# Allegro board PCIE_FIBER_BOARD-1116.brd (continued)
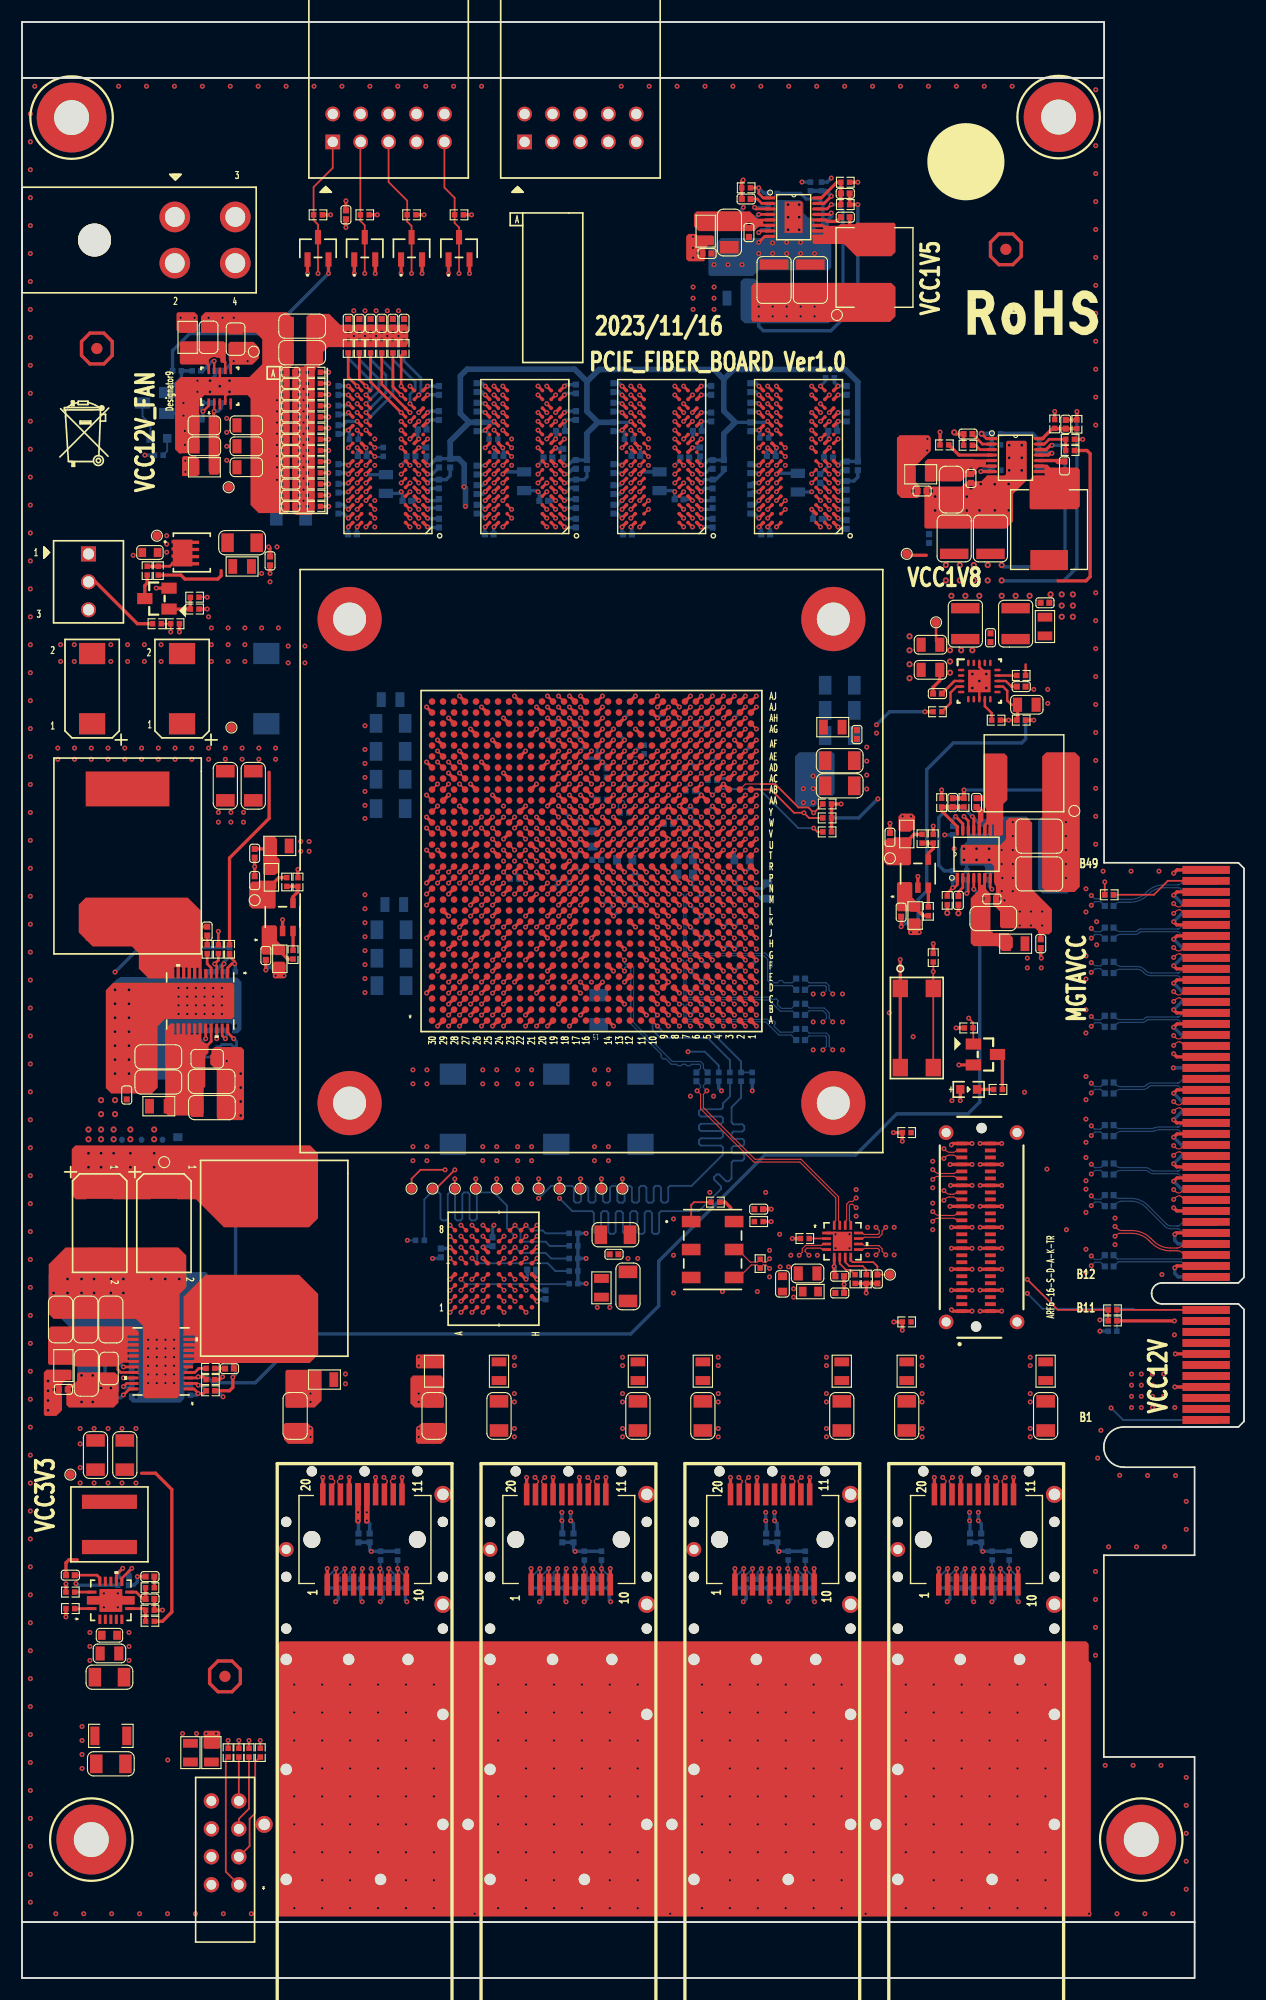
[diagram p0: board, top side]
## Library data of the parts
C2 C13-C15 C97 C461-C463 C490-C492 C505 C508-C519 C524-C527 C546-C548 C552-C555 C596-C598 C602-C605 C624-C626 C630-C633 C1184-C1186 C2256 C2441-C2444 C2446 C2449 C2451 C2453 C2455 C2457 C2459 C2461 C2463 C2492 C2493 = 0_1UF_0
C123 = 47UF_0: signal model: SR0402-BGA_0
C143 C399 C418 C421 C521 C549 C599 C627 C1172-C1174 C1193-C1196 C1224-C1227 C1232 C1233 C2434 C2445 C2447 C2497 C2498 = 47UF_0
C144-C148 C150-C153 C419 C420 C422 C495-C504 C506 C507 C522 C523 C528-C536 C538-C543 C550 C551 C556-C565 C567-C573 C578-C587 C589-C595 C600 C601 C606-C615 C617-C623 C628 C629 C2259-C2266 C2268 C2269 C2272-C2279 C2503 C2504 C2506 C2507 = 4_7UF_0
C159-C162 C400-C402 C493 C494 C636 C638 C639 = 100UF_0
C187 C520 C544 C545 C574-C577 C1159 C1176 C1177 C1179 C1180 C1182 C1183 C1187 C1188 C1190-C1192 C1208 C1211 C1218 C1219 C1221-C1223 C1229-C1231 C1235 C2482 C2485-C2489 C2499 C2501 C2502 C2505 = 0_01UF_0
C224 C640 C1157 C1216 C2495 = 4_7UF_1
C250 C566 C588 C616 C1234 C1237 C1238 = 10UF_1
C271 = 1000PF_0
C340-C344 C2484 = 10UF_0
C991 C992 C2435-C2438 = 0_01UF_0: signal model: 0_01UF_0_C0402_0.01UF_0.01UF
C1153-C1156 C1178 C1197 C1212-C1215 C1228 C2448 C2450 C2452 C2454 C2456 C2458 C2460 C2462 C2494 = 22UF_0
C1158 C1175 C1189 C1217 C1220 C2257 C2258 C2267 C2270 C2271 C2483 C2491 C2496 C2500 = 1UF_0
C2439 C2440 = 0_01UF_1: signal model: 0_01UF_1_C0402_0.1UF_0.1UF
C2464-C2481 = 0_01UF_0: signal model: 0_01UF_0_C0402_0.22UF_0.22UF
C2490 = 10UF_2
C2508 = CAP_NPOL
CC1-CC8 CC13 CC14 = 680UF_TANT_E_1
D1 = H485CGDL
D2-D5 = BAT54CLT1G_2
DS10 DS18 = LED-GRN-SMT_LED_2
J1 J2 = 10PIN_CONNECTOR_1
J3 = ARF6-16-S-D-A-K-TR
J4 = POWER_HDR_0
J5 = HDR_5
L3 L5 L34 L89-L93 L95 L96 L100 L101 L103 L233-L248 L250-L253 = BLM15HD102SN1_0
L85 L99 = 2773021447_1
L86 L94 L102 L249 = INDUCTOR3_1
MH1-MH4 = HOLE_MH_125_3
P1-P4 = 74441-0010_1
Q10 Q15 Q17 = NDS331N_SOT23_1
Q16 = CSD25402Q3A_1
R4 R8 R41 R42 R1152-R1156 R1159-R1199 R1204 R1227 R1230 = 4_7K_0
R87 = 249_0402
R159-R164 R460-R478 R481 R482 R488 = 80_6_0
R165 R1205 = 100_0
R219-R221 R455 R456 R1041-R1050 R1057 R1058 R1065 R1068 R1072-R1074 R1089 R1091-R1095 R1098-R1100 R1103 R1107-R1109 R1112 R1206 R1209 R1213 R1221-R1224 R1226 R1228 R1229 R1231-R1237 = 10_0K_0
R337-R342 R1207 R1208 R1210 R1214 = 1_00K_0
R395 R396 = 261_0
R458 R490 R492 R494 = 100_C402_0
R459 R1059-R1061 R1064 R1066 R1067 R1069-R1071 R1075 R1101 R1102 R1104-R1106 R1111 R1114 R1115 R1200-R1203 R1211 R1212 R1215 R1220 = 0_0
R479 R480 R483 R484 = 80_6_0: signal model: SR0402-BGA_0
R1150 R1151 = 0_0: signal model: 0_0_R0402_0_0
R1157 = 0_0: signal model: 0_0_R0402_0_DNP_0_DNP
R1216-R1219 = 49_9_0
R1225 = RES
SW8 = TL3301EF100QG-ND_0
TP41 TP43 TP44 TP47-TP50 TP52 TP54-TP69 = TEST-POINT_1
U23 = TPS51200DRCT_0
U75-U78 = MT41K512M16TNA-125_2
U113 U118 = TPS53353DQPR_5
U115 U116 U119 = LT8610EMSE_3
U120 = TPS7A8500ARGRR_3
U247 = XC7K325T-2FFG900I_4
U248 = PC28F512P30TFA
U249 = PCIE_BLANE_EDGE
U250 = SIT5021AI-2DE-33E-100_0.000000X
U251 = LMK1D1204RGTR_0
U252 = TPS54620RHLR
U253 U254 = R1112NXX1B_1
U255 = HEAT_SINK_5

## Footprints (pads in the part's own frame, mm; a bottom-side part is the same pattern mirrored in y, then rotated)
0022112032
  rect 1.372x1.372 hole 1.016: 1(-2.54,0)
  round 1.372 hole 1.016: 2(0,0) 3(2.54,0)
0039301040
  round 2.997 hole 2.997: (0,-3.8)
  round 2.794 hole 1.803: 1(-2.1,3.5) 2(2.1,3.5) 3(-2.1,9) 4(2.1,9)
0744410010_0747370010
  round 0.94 hole 0.94 unplated: (22.799,8.58) (22.799,-5.669) (27.501,8.58) (27.501,-5.669) (32.499,8.58) (32.499,-5.669) (37.099,6.251) (37.099,1.45) (37.099,-3.35)
  round 1.549 hole 1.549 unplated: (30.899,6.251) (30.899,-3.35)
  rect 2.007x0.508 smd: 1(26.8,4.849) 2(26.8,4.049) 3(26.8,3.249) 4(26.8,2.449) 5(26.8,1.649) 6(26.8,0.849) 7(26.8,0.049) 8(26.8,-0.751) 9(26.8,-1.551) 10(26.8,-2.351) 11(35.001,-1.95) 12(35.001,-1.15) 13(35.001,-0.35) 14(35.001,0.45) 15(35.001,1.25) 16(35.001,2.05) 17(35.001,2.85) 18(35.001,3.65) 19(35.001,4.45) 20(35.001,5.25)
  round 1.346 hole 0.838: 21(30,8.58)
  round 1.549 hole 1.041: 22(20,8.58) 23(10,8.58) 24(0,8.58) 25(0,0) 26(5.001,-5.669) 27(15.001,-5.669) 28(25.001,-5.669) 29(35.001,-5.669) 30(20,-2.499) 31(20,2.901) 32(5.001,10.579)
ADP150AUJZ
  rect 0.953x0.508 smd: 1(-1.276,0.95) 2(-1.276,0) 3(-1.276,-0.95) 4(1.276,-0.95) 5(1.276,0.95)
ATS-61500W-C2-R0
  round 5.842 hole 2.997: 1(-22,-22) 2(22,-22) 3(22,22) 4(-22,22)
C0402
  rect 0.559x0.559 smd: 1(-0.4,0) 2(0.4,0)
C0402_BGA
  custom 0.559x0.508 smd: 1(-0.47,0) 2(0.47,0)
C0603
  rect 0.711x0.838 smd: 1(-0.7,0) 2(0.7,0)
C0805
  rect 0.838x1.295 smd: 1(-0.85,0) 2(0.85,0)
C1206
  rect 1.143x1.702 smd: 1(-1.325,0) 2(1.325,0)
C1210
  rect 0.94x2.591 smd: 1(-1.4,0) 2(1.4,0)
C2917X
  rect 2.388x1.93 smd: 1(0,-3.193) 2(0,3.193)
CSD25402
  rect 0.61x0.305 smd: 1(-1.549,0.975) 2(-1.549,0.325) 3(-1.549,-0.325) 4(-1.549,-0.975)
  custom 2.388x2.438 smd: 5(-0.533,-0.051)
DSC1123NI1
  rect 1.705x1.049 smd: 1(-1.952,2.54) 2(-1.952,0) 3(-1.952,-2.54) 4(1.952,-2.54) 5(1.952,0) 6(1.952,2.54)
H485CGDL
  round 1.397 hole 0.889: 1(0,0) 2(0,-2.54) 3(0,-5.08) 4(0,-7.62) 5(2.5,-7.62) 6(2.5,-5.08) 7(2.5,-2.54) 8(2.5,0)
IHLP_2525CZ_01
  rect 1.829x3.429 smd: 1(-2.77,0) 2(2.77,0)
L0402
  rect 0.508x0.508 smd: 1(-0.4,0) 2(0.4,0)
L0603
  rect 0.711x0.889 smd: 1(-0.7,0) 2(0.7,0)
L0805
  rect 0.813x1.346 smd: 1(-0.85,0) 2(0.85,0)
LED_0603
  rect 0.76x0.8 smd: 1(-0.759,0) 2(0.759,0)
LMK1D1204RGT
  rect 0.813x0.254 smd: 1(-1.448,0.75) 2(-1.448,0.25) 3(-1.448,-0.25) 4(-1.448,-0.75) 9(1.448,-0.75) 10(1.448,-0.25) 11(1.448,0.25) 12(1.448,0.75)
  rect 0.254x0.813 smd: 5(-0.75,-1.448) 6(-0.25,-1.448) 7(0.25,-1.448) 8(0.75,-1.448) 13(0.75,1.448) 14(0.25,1.448) 15(-0.25,1.448) 16(-0.75,1.448)
  rect 1.753x1.753 smd: 17(0,0)
LT8610AC
  rect 0.305x0.991 smd: 1(-1.75,-2.17)
  oval 0.305x0.991 smd: 2(-1.25,-2.17) 3(-0.75,-2.17) 4(-0.25,-2.17) 5(0.25,-2.17) 6(0.75,-2.17) 7(1.25,-2.17) 8(1.75,-2.17) 9(1.75,2.17) 10(1.25,2.17) 11(0.75,2.17) 12(0.25,2.17) 13(-0.25,2.17) 14(-0.75,2.17) 15(-1.25,2.17) 16(-1.75,2.17)
  rect 2.845x1.65 smd: 17(0,0)
MH_250H125
  round 6.35 hole 3.175: 1(0,0)
MT41K512M16VRP
  round 0.351 smd: A1(-3.2,5.999) A2(-2.4,5.999) A3(-1.6,5.999) A7(1.6,5.999) A8(2.4,5.999) A9(3.2,5.999) B1(-3.2,5.199) B2(-2.4,5.199) B3(-1.6,5.199) B7(1.6,5.199) B8(2.4,5.199) B9(3.2,5.199) C1(-3.2,4.399) C2(-2.4,4.399) C3(-1.6,4.399) C7(1.6,4.399) C8(2.4,4.399) C9(3.2,4.399) D1(-3.2,3.599) D2(-2.4,3.599) D3(-1.6,3.599) D7(1.6,3.599) D8(2.4,3.599) D9(3.2,3.599) E1(-3.2,2.799) E2(-2.4,2.799) E3(-1.6,2.799) E7(1.6,2.799) E8(2.4,2.799) E9(3.2,2.799) F1(-3.2,1.999) F2(-2.4,1.999) F3(-1.6,1.999) F7(1.6,1.999) F8(2.4,1.999) F9(3.2,1.999) G1(-3.2,1.199) G2(-2.4,1.199) G3(-1.6,1.199) G7(1.6,1.199) G8(2.4,1.199) G9(3.2,1.199) H1(-3.2,0.399) H2(-2.4,0.399) H3(-1.6,0.399) H7(1.6,0.399) H8(2.4,0.399) H9(3.2,0.399) J1(-3.2,-0.399) J2(-2.4,-0.399) J3(-1.6,-0.399) J7(1.6,-0.399) J8(2.4,-0.399) J9(3.2,-0.399) K1(-3.2,-1.199) K2(-2.4,-1.199) K3(-1.6,-1.199) K7(1.6,-1.199) K8(2.4,-1.199) K9(3.2,-1.199) L1(-3.2,-1.999) L2(-2.4,-1.999) L3(-1.6,-1.999) L7(1.6,-1.999) L8(2.4,-1.999) L9(3.2,-1.999) M1(-3.2,-2.799) M2(-2.4,-2.799) M3(-1.6,-2.799) M7(1.6,-2.799) M8(2.4,-2.799) M9(3.2,-2.799) N1(-3.2,-3.599) N2(-2.4,-3.599) N3(-1.6,-3.599) N7(1.6,-3.599) N8(2.4,-3.599) N9(3.2,-3.599) P1(-3.2,-4.399) P2(-2.4,-4.399) P3(-1.6,-4.399) P7(1.6,-4.399) P8(2.4,-4.399) P9(3.2,-4.399) R1(-3.2,-5.199) R2(-2.4,-5.199) R3(-1.6,-5.199) R7(1.6,-5.199) R8(2.4,-5.199) R9(3.2,-5.199) T1(-3.2,-5.999) T2(-2.4,-5.999) T3(-1.6,-5.999) T7(1.6,-5.999) T8(2.4,-5.999) T9(3.2,-5.999)
NDS331N
  rect 1.016x1.397 smd: 1(-0.95,-1.1) 2(0.95,-1.1) 3(0,1.1)
PA0513_441NLT
  rect 3.175x7.62 smd: 1(-6.195,0) 2(5.995,0)
PC28F512P30TFA_BGA64
  round 0.432 smd: A1(-3.5,3.5) A2(-2.5,3.5) A3(-1.5,3.5) A4(-0.5,3.5) A5(0.5,3.5) A6(1.5,3.5) A7(2.5,3.5) A8(3.5,3.5) B1(-3.5,2.5) B2(-2.5,2.5) B3(-1.5,2.5) B4(-0.5,2.5) B5(0.5,2.5) B6(1.5,2.5) B7(2.5,2.5) B8(3.5,2.5) C1(-3.5,1.5) C2(-2.5,1.5) C3(-1.5,1.5) C4(-0.5,1.5) C5(0.5,1.5) C6(1.5,1.5) C7(2.5,1.5) C8(3.5,1.5) D1(-3.5,0.5) D2(-2.5,0.5) D3(-1.5,0.5) D4(-0.5,0.5) D5(0.5,0.5) D6(1.5,0.5) D7(2.5,0.5) D8(3.5,0.5) E1(-3.5,-0.5) E2(-2.5,-0.5) E3(-1.5,-0.5) E4(-0.5,-0.5) E5(0.5,-0.5) E6(1.5,-0.5) E7(2.5,-0.5) E8(3.5,-0.5) F1(-3.5,-1.5) F2(-2.5,-1.5) F3(-1.5,-1.5) F4(-0.5,-1.5) F5(0.5,-1.5) F6(1.5,-1.5) F7(2.5,-1.5) F8(3.5,-1.5) G1(-3.5,-2.5) G2(-2.5,-2.5) G3(-1.5,-2.5) G4(-0.5,-2.5) G5(0.5,-2.5) G6(1.5,-2.5) G7(2.5,-2.5) G8(3.5,-2.5) H1(-3.5,-3.5) H2(-2.5,-3.5) H3(-1.5,-3.5) H4(-0.5,-3.5) H5(0.5,-3.5) H6(1.5,-3.5) H7(2.5,-3.5) H8(3.5,-3.5)
PCIE_8LANE_EDGE
  rect 0.711x3.2 smd: A1(0,0.495) B17(18,0.495) B31(32,0.495) B48(49,0.495)
  rect 0.711x4.293 smd: A2(1,-0.051) A3(2,-0.051) A4(3,-0.051) A5(4,-0.051) A6(5,-0.051) A7(6,-0.051) A8(7,-0.051) A9(8,-0.051) A10(9,-0.051) A11(10,-0.051) A12(13,-0.051) A13(14,-0.051) A14(15,-0.051) A15(16,-0.051) A16(17,-0.051) A17(18,-0.051) A18(19,-0.051) A19(20,-0.051) A20(21,-0.051) A21(22,-0.051) A22(23,-0.051) A23(24,-0.051) A24(25,-0.051) A25(26,-0.051) A26(27,-0.051) A27(28,-0.051) A28(29,-0.051) A29(30,-0.051) A30(31,-0.051) A31(32,-0.051) A32(33,-0.051) A33(34,-0.051) A34(35,-0.051) A35(36,-0.051) A36(37,-0.051) A37(38,-0.051) A38(39,-0.051) A39(40,-0.051) A40(41,-0.051) A41(42,-0.051) A42(43,-0.051) A43(44,-0.051) A44(45,-0.051) A45(46,-0.051) A46(47,-0.051) A47(48,-0.051) A48(49,-0.051) A49(50,-0.051) B1(0,-0.051) B2(1,-0.051) B3(2,-0.051) B4(3,-0.051) B5(4,-0.051) B6(5,-0.051) B7(6,-0.051) B8(7,-0.051) B9(8,-0.051) B10(9,-0.051) B11(10,-0.051) B12(13,-0.051) B13(14,-0.051) B14(15,-0.051) B15(16,-0.051) B16(17,-0.051) B18(19,-0.051) B19(20,-0.051) B20(21,-0.051) B21(22,-0.051) B22(23,-0.051) B23(24,-0.051) B24(25,-0.051) B25(26,-0.051) B26(27,-0.051) B27(28,-0.051) B28(29,-0.051) B29(30,-0.051) B30(31,-0.051) B32(33,-0.051) B33(34,-0.051) B34(35,-0.051) B35(36,-0.051) B36(37,-0.051) B37(38,-0.051) B38(39,-0.051) B39(40,-0.051) B40(41,-0.051) B41(42,-0.051) B42(43,-0.051) B43(44,-0.051) B44(45,-0.051) B45(46,-0.051) B46(47,-0.051) B47(48,-0.051) B49(50,-0.051)
R0402
  rect 0.508x0.508 smd: 1(-0.4,0) 2(0.4,0)
R1206
  rect 0.838x1.702 smd: 1(-1.45,0) 2(1.45,0)
SAMTEC_ARF6-16-S-D-A-K-TR
  round 0.95 hole 0.95 unplated: (-9.02,0) (9.02,-0.5)
  rect 0.35x1 smd: 01(-7.62,1.3) 02(-7.62,-1.3) 03(-6.985,1.3) 04(-6.985,-1.3) 05(-6.35,1.3) 06(-6.35,-1.3) 07(-5.715,1.3) 08(-5.715,-1.3) 09(-5.08,1.3) 10(-5.08,-1.3) 11(-4.445,1.3) 12(-4.445,-1.3) 13(-3.81,1.3) 14(-3.81,-1.3) 15(-3.175,1.3) 16(-3.175,-1.3) 17(-2.54,1.3) 18(-2.54,-1.3) 19(-1.905,1.3) 20(-1.905,-1.3) 21(-1.27,1.3) 22(-1.27,-1.3) 23(-0.635,1.3) 24(-0.635,-1.3) 25(0,1.3) 26(0,-1.3) 27(0.635,1.3) 28(0.635,-1.3) 29(1.27,1.3) 30(1.27,-1.3) 31(1.905,1.3) 32(1.905,-1.3) 33(2.54,1.3) 34(2.54,-1.3) 35(3.175,1.3) 36(3.175,-1.3) 37(3.81,1.3) 38(3.81,-1.3) 39(4.445,1.3) 40(4.445,-1.3) 41(5.08,1.3) 42(5.08,-1.3) 43(5.715,1.3) 44(5.715,-1.3) 45(6.35,1.3) 46(6.35,-1.3) 47(6.985,1.3) 48(6.985,-1.3) 49(7.62,1.3) 50(7.62,-1.3)
  round 1.338 hole 0.83: S1(-8.6,2.725) S2(8.61,2.725) S3(-8.6,-3.725) S4(8.61,-3.725)
SBH11-PBPC-D05-ST-BK
  rect 1.346x1.346 hole 0.94: 1(-5.08,-1.27)
  round 1.346 hole 0.94: 2(-5.08,1.27) 3(-2.54,-1.27) 4(-2.54,1.27) 5(0,-1.27) 6(0,1.27) 7(2.54,-1.27) 8(2.54,1.27) 9(5.08,-1.27) 10(5.08,1.27)
SOT-23
  rect 0.559x1.321 smd: 1(-0.953,-1.016) 2(0.953,-1.016) 3(0,1.016)
TL3305AF160QG
  rect 1.6x1.4 smd: 1(-3.6,-1.5) 2(3.6,-1.5) 3(-3.6,1.5) 4(3.6,1.5)
TP0_8
  round 0.822 smd: 1(0,0)
TPS7A8500ARGR
  oval 0.6x0.24 smd: 1(-1.65,1) 2(-1.65,0.5) 3(-1.65,0) 4(-1.65,-0.5) 5(-1.65,-1) 11(1.65,-1) 12(1.65,-0.5) 13(1.65,0) 14(1.65,0.5) 15(1.65,1)
  oval 0.24x0.6 smd: 6(-1,-1.65) 7(-0.5,-1.65) 8(0,-1.65) 9(0.5,-1.65) 10(1,-1.65) 16(1,1.65) 17(0.5,1.65) 18(0,1.65) 19(-0.5,1.65) 20(-1,1.65)
  rect 2.05x2.05 smd: 21(0,0)
TPS51200DRC
  rect 0.6x0.24 smd: 1(-1.4,1) 2(-1.4,0.5) 3(-1.4,0) 4(-1.4,-0.5) 5(-1.4,-1) 6(1.4,-1) 7(1.4,-0.5) 8(1.4,0) 9(1.4,0.5) 10(1.4,1)
  rect 1.65x2.4 smd: 11(0,0)
TPS53353DQP
  rect 0.85x0.28 smd: 1(-2.475,2.5) 2(-2.475,2) 3(-2.475,1.5) 4(-2.475,1) 5(-2.475,0.5) 6(-2.475,0) 7(-2.475,-0.5) 8(-2.475,-1) 9(-2.475,-1.5) 10(-2.475,-2) 11(-2.475,-2.5) 12(2.475,-2.5) 13(2.475,-2) 14(2.475,-1.5) 15(2.475,-1) 16(2.475,-0.5) 17(2.475,0) 18(2.475,0.5) 19(2.475,1) 20(2.475,1.5) 21(2.475,2) 22(2.475,2.5)
  rect 3.24x5.479 smd: 23(0,0)
TPS54620_RHL14
  rect 0.28x0.85 smd: 1(-0.75,1.725) 7(-0.75,-1.725) 8(0.75,-1.725) 14(0.75,1.725)
  rect 0.85x0.28 smd: 2(-1.725,1) 3(-1.725,0.5) 4(-1.725,0) 5(-1.725,-0.5) 6(-1.725,-1) 9(1.725,-1) 10(1.725,-0.5) 11(1.725,0) 12(1.725,0.5) 13(1.725,1)
  rect 2.05x2.05 smd: 15(0,0)
unnamed#2
  round 1.016 smd: 1(0,0)
XAL6030
  rect 1.295x5.004 smd: 1(-2.057,0) 2(2.057,0)
XC7K325T-2FFG900I
  round 0.61 smd: A1(-14.5,14.5) A2(-13.5,14.5) A3(-12.5,14.5) A4(-11.5,14.5) A5(-10.5,14.5) A6(-9.5,14.5) A7(-8.5,14.5) A8(-7.5,14.5) A9(-6.5,14.5) A10(-5.5,14.5) A11(-4.5,14.5) A12(-3.5,14.5) A13(-2.5,14.5) A14(-1.5,14.5) A15(-0.5,14.5) A16(0.5,14.5) A17(1.5,14.5) A18(2.5,14.5) A19(3.5,14.5) A20(4.5,14.5) A21(5.5,14.5) A22(6.5,14.5) A23(7.5,14.5) A24(8.5,14.5) A25(9.5,14.5) A26(10.5,14.5) A27(11.5,14.5) A28(12.5,14.5) A29(13.5,14.5) A30(14.5,14.5) AA1(-14.5,-5.5) AA2(-13.5,-5.5) AA3(-12.5,-5.5) AA4(-11.5,-5.5) AA5(-10.5,-5.5) AA6(-9.5,-5.5) AA7(-8.5,-5.5) AA8(-7.5,-5.5) AA9(-6.5,-5.5) AA10(-5.5,-5.5) AA11(-4.5,-5.5) AA12(-3.5,-5.5) AA13(-2.5,-5.5) AA14(-1.5,-5.5) AA15(-0.5,-5.5) AA16(0.5,-5.5) AA17(1.5,-5.5) AA18(2.5,-5.5) AA19(3.5,-5.5) AA20(4.5,-5.5) AA21(5.5,-5.5) AA22(6.5,-5.5) AA23(7.5,-5.5) AA24(8.5,-5.5) AA25(9.5,-5.5) AA26(10.5,-5.5) AA27(11.5,-5.5) AA28(12.5,-5.5) AA29(13.5,-5.5) AA30(14.5,-5.5) AB1(-14.5,-6.5) AB2(-13.5,-6.5) AB3(-12.5,-6.5) AB4(-11.5,-6.5) AB5(-10.5,-6.5) AB6(-9.5,-6.5) AB7(-8.5,-6.5) AB8(-7.5,-6.5) AB9(-6.5,-6.5) AB10(-5.5,-6.5) AB11(-4.5,-6.5) AB12(-3.5,-6.5) AB13(-2.5,-6.5) AB14(-1.5,-6.5) AB15(-0.5,-6.5) AB16(0.5,-6.5) AB17(1.5,-6.5) AB18(2.5,-6.5) AB19(3.5,-6.5) AB20(4.5,-6.5) AB21(5.5,-6.5) AB22(6.5,-6.5) AB23(7.5,-6.5) AB24(8.5,-6.5) AB25(9.5,-6.5) AB26(10.5,-6.5) AB27(11.5,-6.5) AB28(12.5,-6.5) AB29(13.5,-6.5) AB30(14.5,-6.5) AC1(-14.5,-7.5) AC2(-13.5,-7.5) AC3(-12.5,-7.5) AC4(-11.5,-7.5) AC5(-10.5,-7.5) AC6(-9.5,-7.5) AC7(-8.5,-7.5) AC8(-7.5,-7.5) AC9(-6.5,-7.5) AC10(-5.5,-7.5) AC11(-4.5,-7.5) AC12(-3.5,-7.5) AC13(-2.5,-7.5) AC14(-1.5,-7.5) AC15(-0.5,-7.5) AC16(0.5,-7.5) AC17(1.5,-7.5) AC18(2.5,-7.5) AC19(3.5,-7.5) AC20(4.5,-7.5) AC21(5.5,-7.5) AC22(6.5,-7.5) AC23(7.5,-7.5) AC24(8.5,-7.5) AC25(9.5,-7.5) AC26(10.5,-7.5) AC27(11.5,-7.5) AC28(12.5,-7.5) AC29(13.5,-7.5) AC30(14.5,-7.5) AD1(-14.5,-8.5) AD2(-13.5,-8.5) AD3(-12.5,-8.5) AD4(-11.5,-8.5) AD5(-10.5,-8.5) AD6(-9.5,-8.5) AD7(-8.5,-8.5) AD8(-7.5,-8.5) AD9(-6.5,-8.5) AD10(-5.5,-8.5) AD11(-4.5,-8.5) AD12(-3.5,-8.5) AD13(-2.5,-8.5) AD14(-1.5,-8.5) AD15(-0.5,-8.5) AD16(0.5,-8.5) AD17(1.5,-8.5) AD18(2.5,-8.5) AD19(3.5,-8.5) AD20(4.5,-8.5) AD21(5.5,-8.5) AD22(6.5,-8.5) AD23(7.5,-8.5) AD24(8.5,-8.5) AD25(9.5,-8.5) AD26(10.5,-8.5) AD27(11.5,-8.5) AD28(12.5,-8.5) AD29(13.5,-8.5) AD30(14.5,-8.5) AE1(-14.5,-9.5) AE2(-13.5,-9.5) AE3(-12.5,-9.5) AE4(-11.5,-9.5) AE5(-10.5,-9.5) AE6(-9.5,-9.5) AE7(-8.5,-9.5) AE8(-7.5,-9.5) AE9(-6.5,-9.5) AE10(-5.5,-9.5) AE11(-4.5,-9.5) AE12(-3.5,-9.5) AE13(-2.5,-9.5) AE14(-1.5,-9.5) AE15(-0.5,-9.5) AE16(0.5,-9.5) AE17(1.5,-9.5) AE18(2.5,-9.5) AE19(3.5,-9.5) AE20(4.5,-9.5) AE21(5.5,-9.5) AE22(6.5,-9.5) AE23(7.5,-9.5) AE24(8.5,-9.5) AE25(9.5,-9.5) AE26(10.5,-9.5) AE27(11.5,-9.5) AE28(12.5,-9.5) AE29(13.5,-9.5) AE30(14.5,-9.5) AF1(-14.5,-10.5) AF2(-13.5,-10.5) AF3(-12.5,-10.5) AF4(-11.5,-10.5) AF5(-10.5,-10.5) AF6(-9.5,-10.5) AF7(-8.5,-10.5) AF8(-7.5,-10.5) AF9(-6.5,-10.5) AF10(-5.5,-10.5) AF11(-4.5,-10.5) AF12(-3.5,-10.5) AF13(-2.5,-10.5) AF14(-1.5,-10.5) AF15(-0.5,-10.5) AF16(0.5,-10.5) AF17(1.5,-10.5) AF18(2.5,-10.5) AF19(3.5,-10.5) AF20(4.5,-10.5) AF21(5.5,-10.5) AF22(6.5,-10.5) AF23(7.5,-10.5) AF24(8.5,-10.5) AF25(9.5,-10.5) AF26(10.5,-10.5) AF27(11.5,-10.5) AF28(12.5,-10.5) AF29(13.5,-10.5) AF30(14.5,-10.5) AG1(-14.5,-11.5) AG2(-13.5,-11.5) AG3(-12.5,-11.5) AG4(-11.5,-11.5) AG5(-10.5,-11.5) AG6(-9.5,-11.5) AG7(-8.5,-11.5) AG8(-7.5,-11.5) AG9(-6.5,-11.5) AG10(-5.5,-11.5) AG11(-4.5,-11.5) AG12(-3.5,-11.5) AG13(-2.5,-11.5) AG14(-1.5,-11.5) AG15(-0.5,-11.5) AG16(0.5,-11.5) AG17(1.5,-11.5) AG18(2.5,-11.5) AG19(3.5,-11.5) AG20(4.5,-11.5) AG21(5.5,-11.5) AG22(6.5,-11.5) AG23(7.5,-11.5) AG24(8.5,-11.5) AG25(9.5,-11.5) AG26(10.5,-11.5) AG27(11.5,-11.5) AG28(12.5,-11.5) AG29(13.5,-11.5) AG30(14.5,-11.5) AH1(-14.5,-12.5) AH2(-13.5,-12.5) AH3(-12.5,-12.5) AH4(-11.5,-12.5) AH5(-10.5,-12.5) AH6(-9.5,-12.5) AH7(-8.5,-12.5) AH8(-7.5,-12.5) AH9(-6.5,-12.5) AH10(-5.5,-12.5) AH11(-4.5,-12.5) AH12(-3.5,-12.5) AH13(-2.5,-12.5) AH14(-1.5,-12.5) AH15(-0.5,-12.5) AH16(0.5,-12.5) AH17(1.5,-12.5) AH18(2.5,-12.5) AH19(3.5,-12.5) AH20(4.5,-12.5) AH21(5.5,-12.5) AH22(6.5,-12.5) AH23(7.5,-12.5) AH24(8.5,-12.5) AH25(9.5,-12.5) AH26(10.5,-12.5) AH27(11.5,-12.5) AH28(12.5,-12.5) AH29(13.5,-12.5) AH30(14.5,-12.5) AJ1(-14.5,-13.5) AJ2(-13.5,-13.5) AJ3(-12.5,-13.5) AJ4(-11.5,-13.5) AJ5(-10.5,-13.5) AJ6(-9.5,-13.5) AJ7(-8.5,-13.5) AJ8(-7.5,-13.5) AJ9(-6.5,-13.5) AJ10(-5.5,-13.5) AJ11(-4.5,-13.5) AJ12(-3.5,-13.5) AJ13(-2.5,-13.5) AJ14(-1.5,-13.5) AJ15(-0.5,-13.5) AJ16(0.5,-13.5) AJ17(1.5,-13.5) AJ18(2.5,-13.5) AJ19(3.5,-13.5) AJ20(4.5,-13.5) AJ21(5.5,-13.5) AJ22(6.5,-13.5) AJ23(7.5,-13.5) AJ24(8.5,-13.5) AJ25(9.5,-13.5) AJ26(10.5,-13.5) AJ27(11.5,-13.5) AJ28(12.5,-13.5) AJ29(13.5,-13.5) AJ30(14.5,-13.5) AK1(-14.5,-14.5) AK2(-13.5,-14.5) AK3(-12.5,-14.5) AK4(-11.5,-14.5) AK5(-10.5,-14.5) AK6(-9.5,-14.5) AK7(-8.5,-14.5) AK8(-7.5,-14.5) AK9(-6.5,-14.5) AK10(-5.5,-14.5) AK11(-4.5,-14.5) AK12(-3.5,-14.5) AK13(-2.5,-14.5) AK14(-1.5,-14.5) AK15(-0.5,-14.5) AK16(0.5,-14.5) AK17(1.5,-14.5) AK18(2.5,-14.5) AK19(3.5,-14.5) AK20(4.5,-14.5) AK21(5.5,-14.5) AK22(6.5,-14.5) AK23(7.5,-14.5) AK24(8.5,-14.5) AK25(9.5,-14.5) AK26(10.5,-14.5) AK27(11.5,-14.5) AK28(12.5,-14.5) AK29(13.5,-14.5) AK30(14.5,-14.5) B1(-14.5,13.5) B2(-13.5,13.5) B3(-12.5,13.5) B4(-11.5,13.5) B5(-10.5,13.5) B6(-9.5,13.5) B7(-8.5,13.5) B8(-7.5,13.5) B9(-6.5,13.5) B10(-5.5,13.5) B11(-4.5,13.5) B12(-3.5,13.5) B13(-2.5,13.5) B14(-1.5,13.5) B15(-0.5,13.5) B16(0.5,13.5) B17(1.5,13.5) B18(2.5,13.5) B19(3.5,13.5) B20(4.5,13.5) B21(5.5,13.5) B22(6.5,13.5) B23(7.5,13.5) B24(8.5,13.5) B25(9.5,13.5) B26(10.5,13.5) B27(11.5,13.5) B28(12.5,13.5) B29(13.5,13.5) B30(14.5,13.5) C1(-14.5,12.5) C2(-13.5,12.5) C3(-12.5,12.5) C4(-11.5,12.5) C5(-10.5,12.5) C6(-9.5,12.5) C7(-8.5,12.5) C8(-7.5,12.5) C9(-6.5,12.5) C10(-5.5,12.5) C11(-4.5,12.5) C12(-3.5,12.5) C13(-2.5,12.5) C14(-1.5,12.5) C15(-0.5,12.5) C16(0.5,12.5) C17(1.5,12.5) C18(2.5,12.5) C19(3.5,12.5) C20(4.5,12.5) C21(5.5,12.5) C22(6.5,12.5) C23(7.5,12.5) C24(8.5,12.5) C25(9.5,12.5) C26(10.5,12.5) C27(11.5,12.5) C28(12.5,12.5) C29(13.5,12.5) C30(14.5,12.5) D1(-14.5,11.5) D2(-13.5,11.5) D3(-12.5,11.5) D4(-11.5,11.5) D5(-10.5,11.5) D6(-9.5,11.5) D7(-8.5,11.5) D8(-7.5,11.5) D9(-6.5,11.5) D10(-5.5,11.5) D11(-4.5,11.5) D12(-3.5,11.5) D13(-2.5,11.5) D14(-1.5,11.5) D15(-0.5,11.5) D16(0.5,11.5) D17(1.5,11.5) D18(2.5,11.5) D19(3.5,11.5) D20(4.5,11.5) D21(5.5,11.5) D22(6.5,11.5) D23(7.5,11.5) D24(8.5,11.5) D25(9.5,11.5) D26(10.5,11.5) D27(11.5,11.5) D28(12.5,11.5) D29(13.5,11.5) D30(14.5,11.5) E1(-14.5,10.5) E2(-13.5,10.5) E3(-12.5,10.5) E4(-11.5,10.5) E5(-10.5,10.5) E6(-9.5,10.5) E7(-8.5,10.5) E8(-7.5,10.5) E9(-6.5,10.5) E10(-5.5,10.5) E11(-4.5,10.5) E12(-3.5,10.5) E13(-2.5,10.5) E14(-1.5,10.5) E15(-0.5,10.5) E16(0.5,10.5) E17(1.5,10.5) E18(2.5,10.5) E19(3.5,10.5) E20(4.5,10.5) E21(5.5,10.5) E22(6.5,10.5) E23(7.5,10.5) E24(8.5,10.5) E25(9.5,10.5) E26(10.5,10.5) E27(11.5,10.5) E28(12.5,10.5) E29(13.5,10.5) E30(14.5,10.5) F1(-14.5,9.5) F2(-13.5,9.5) F3(-12.5,9.5) F4(-11.5,9.5) F5(-10.5,9.5) F6(-9.5,9.5) F7(-8.5,9.5) F8(-7.5,9.5) F9(-6.5,9.5) F10(-5.5,9.5) F11(-4.5,9.5) F12(-3.5,9.5) F13(-2.5,9.5) F14(-1.5,9.5) F15(-0.5,9.5) F16(0.5,9.5) F17(1.5,9.5) F18(2.5,9.5) F19(3.5,9.5) F20(4.5,9.5) F21(5.5,9.5) F22(6.5,9.5) F23(7.5,9.5) F24(8.5,9.5) F25(9.5,9.5) F26(10.5,9.5) F27(11.5,9.5) F28(12.5,9.5) F29(13.5,9.5) F30(14.5,9.5) G1(-14.5,8.5) G2(-13.5,8.5) G3(-12.5,8.5) G4(-11.5,8.5) G5(-10.5,8.5) G6(-9.5,8.5) G7(-8.5,8.5) G8(-7.5,8.5) G9(-6.5,8.5) G10(-5.5,8.5) G11(-4.5,8.5) G12(-3.5,8.5) G13(-2.5,8.5) G14(-1.5,8.5) G15(-0.5,8.5) G16(0.5,8.5) G17(1.5,8.5) G18(2.5,8.5) G19(3.5,8.5) G20(4.5,8.5) G21(5.5,8.5) G22(6.5,8.5) G23(7.5,8.5) G24(8.5,8.5) G25(9.5,8.5) G26(10.5,8.5) G27(11.5,8.5) G28(12.5,8.5) G29(13.5,8.5) G30(14.5,8.5) H1(-14.5,7.5) H2(-13.5,7.5) H3(-12.5,7.5) H4(-11.5,7.5) H5(-10.5,7.5) H6(-9.5,7.5) H7(-8.5,7.5) H8(-7.5,7.5) H9(-6.5,7.5) H10(-5.5,7.5) H11(-4.5,7.5) H12(-3.5,7.5) H13(-2.5,7.5) H14(-1.5,7.5) H15(-0.5,7.5) H16(0.5,7.5) H17(1.5,7.5) H18(2.5,7.5) H19(3.5,7.5) H20(4.5,7.5) H21(5.5,7.5) H22(6.5,7.5) H23(7.5,7.5) H24(8.5,7.5) H25(9.5,7.5) H26(10.5,7.5) H27(11.5,7.5) H28(12.5,7.5) H29(13.5,7.5) H30(14.5,7.5) J1(-14.5,6.5) J2(-13.5,6.5) J3(-12.5,6.5) J4(-11.5,6.5) J5(-10.5,6.5) J6(-9.5,6.5) J7(-8.5,6.5) J8(-7.5,6.5) J9(-6.5,6.5) J10(-5.5,6.5) J11(-4.5,6.5) J12(-3.5,6.5) J13(-2.5,6.5) J14(-1.5,6.5) J15(-0.5,6.5) J16(0.5,6.5) J17(1.5,6.5) J18(2.5,6.5) J19(3.5,6.5) J20(4.5,6.5) J21(5.5,6.5) J22(6.5,6.5) J23(7.5,6.5) J24(8.5,6.5) J25(9.5,6.5) J26(10.5,6.5) J27(11.5,6.5) J28(12.5,6.5) J29(13.5,6.5) J30(14.5,6.5) K1(-14.5,5.5) K2(-13.5,5.5) K3(-12.5,5.5) K4(-11.5,5.5) K5(-10.5,5.5) K6(-9.5,5.5) K7(-8.5,5.5) K8(-7.5,5.5) K9(-6.5,5.5) K10(-5.5,5.5) K11(-4.5,5.5) K12(-3.5,5.5) K13(-2.5,5.5) K14(-1.5,5.5) K15(-0.5,5.5) K16(0.5,5.5) K17(1.5,5.5) K18(2.5,5.5) K19(3.5,5.5) K20(4.5,5.5) K21(5.5,5.5) K22(6.5,5.5) K23(7.5,5.5) K24(8.5,5.5) K25(9.5,5.5) K26(10.5,5.5) K27(11.5,5.5) K28(12.5,5.5) K29(13.5,5.5) K30(14.5,5.5) L1(-14.5,4.5) L2(-13.5,4.5) L3(-12.5,4.5) L4(-11.5,4.5) L5(-10.5,4.5) L6(-9.5,4.5) L7(-8.5,4.5) L8(-7.5,4.5) L9(-6.5,4.5) L10(-5.5,4.5) L11(-4.5,4.5) L12(-3.5,4.5) L13(-2.5,4.5) L14(-1.5,4.5) L15(-0.5,4.5) L16(0.5,4.5) L17(1.5,4.5) L18(2.5,4.5) L19(3.5,4.5) L20(4.5,4.5) L21(5.5,4.5) L22(6.5,4.5) L23(7.5,4.5) L24(8.5,4.5) L25(9.5,4.5) L26(10.5,4.5) L27(11.5,4.5) L28(12.5,4.5) L29(13.5,4.5) L30(14.5,4.5) M1(-14.5,3.5) M2(-13.5,3.5) M3(-12.5,3.5) M4(-11.5,3.5) M5(-10.5,3.5) M6(-9.5,3.5) M7(-8.5,3.5) M8(-7.5,3.5) M9(-6.5,3.5) M10(-5.5,3.5) M11(-4.5,3.5) M12(-3.5,3.5) M13(-2.5,3.5) M14(-1.5,3.5) M15(-0.5,3.5) M16(0.5,3.5) M17(1.5,3.5) M18(2.5,3.5) M19(3.5,3.5) M20(4.5,3.5) M21(5.5,3.5) M22(6.5,3.5) M23(7.5,3.5) M24(8.5,3.5) M25(9.5,3.5) M26(10.5,3.5) M27(11.5,3.5) M28(12.5,3.5) M29(13.5,3.5) M30(14.5,3.5) N1(-14.5,2.5) N2(-13.5,2.5) N3(-12.5,2.5) N4(-11.5,2.5) N5(-10.5,2.5) N6(-9.5,2.5) N7(-8.5,2.5) N8(-7.5,2.5) N9(-6.5,2.5) N10(-5.5,2.5) N11(-4.5,2.5) N12(-3.5,2.5) N13(-2.5,2.5) N14(-1.5,2.5) N15(-0.5,2.5) N16(0.5,2.5) N17(1.5,2.5) N18(2.5,2.5) N19(3.5,2.5) N20(4.5,2.5) N21(5.5,2.5) N22(6.5,2.5) N23(7.5,2.5) N24(8.5,2.5) N25(9.5,2.5) N26(10.5,2.5) N27(11.5,2.5) N28(12.5,2.5) N29(13.5,2.5) N30(14.5,2.5) P1(-14.5,1.5) P2(-13.5,1.5) P3(-12.5,1.5) P4(-11.5,1.5) P5(-10.5,1.5) P6(-9.5,1.5) P7(-8.5,1.5) P8(-7.5,1.5) P9(-6.5,1.5) P10(-5.5,1.5) P11(-4.5,1.5) P12(-3.5,1.5) P13(-2.5,1.5) P14(-1.5,1.5) P15(-0.5,1.5) P16(0.5,1.5) P17(1.5,1.5) P18(2.5,1.5) P19(3.5,1.5) P20(4.5,1.5) P21(5.5,1.5) P22(6.5,1.5) P23(7.5,1.5) P24(8.5,1.5) P25(9.5,1.5) P26(10.5,1.5) P27(11.5,1.5) P28(12.5,1.5) P29(13.5,1.5) P30(14.5,1.5) R1(-14.5,0.5) R2(-13.5,0.5) R3(-12.5,0.5) R4(-11.5,0.5) R5(-10.5,0.5) R6(-9.5,0.5) R7(-8.5,0.5) R8(-7.5,0.5) R9(-6.5,0.5) R10(-5.5,0.5) R11(-4.5,0.5) R12(-3.5,0.5) R13(-2.5,0.5) R14(-1.5,0.5) R15(-0.5,0.5) R16(0.5,0.5) R17(1.5,0.5) R18(2.5,0.5) R19(3.5,0.5) R20(4.5,0.5) R21(5.5,0.5) R22(6.5,0.5) R23(7.5,0.5) R24(8.5,0.5) R25(9.5,0.5) R26(10.5,0.5) R27(11.5,0.5) R28(12.5,0.5) R29(13.5,0.5) R30(14.5,0.5) T1(-14.5,-0.5) T2(-13.5,-0.5) T3(-12.5,-0.5) T4(-11.5,-0.5) T5(-10.5,-0.5) T6(-9.5,-0.5) T7(-8.5,-0.5) T8(-7.5,-0.5) T9(-6.5,-0.5) T10(-5.5,-0.5) T11(-4.5,-0.5) T12(-3.5,-0.5) T13(-2.5,-0.5) T14(-1.5,-0.5) T15(-0.5,-0.5) T16(0.5,-0.5) T17(1.5,-0.5) T18(2.5,-0.5) T19(3.5,-0.5) T20(4.5,-0.5) T21(5.5,-0.5) T22(6.5,-0.5) T23(7.5,-0.5) T24(8.5,-0.5) T25(9.5,-0.5) T26(10.5,-0.5) T27(11.5,-0.5) T28(12.5,-0.5) T29(13.5,-0.5) T30(14.5,-0.5) U1(-14.5,-1.5) U2(-13.5,-1.5) U3(-12.5,-1.5) U4(-11.5,-1.5) U5(-10.5,-1.5) U6(-9.5,-1.5) U7(-8.5,-1.5) U8(-7.5,-1.5) U9(-6.5,-1.5) U10(-5.5,-1.5) U11(-4.5,-1.5) U12(-3.5,-1.5) U13(-2.5,-1.5) U14(-1.5,-1.5) U15(-0.5,-1.5) U16(0.5,-1.5) U17(1.5,-1.5) U18(2.5,-1.5) U19(3.5,-1.5) U20(4.5,-1.5) U21(5.5,-1.5) U22(6.5,-1.5) U23(7.5,-1.5) U24(8.5,-1.5) U25(9.5,-1.5) U26(10.5,-1.5) U27(11.5,-1.5) U28(12.5,-1.5) U29(13.5,-1.5) U30(14.5,-1.5) V1(-14.5,-2.5) V2(-13.5,-2.5) V3(-12.5,-2.5) V4(-11.5,-2.5) V5(-10.5,-2.5) V6(-9.5,-2.5) V7(-8.5,-2.5) V8(-7.5,-2.5) V9(-6.5,-2.5) V10(-5.5,-2.5) V11(-4.5,-2.5) V12(-3.5,-2.5) V13(-2.5,-2.5) V14(-1.5,-2.5) V15(-0.5,-2.5) V16(0.5,-2.5) V17(1.5,-2.5) V18(2.5,-2.5) V19(3.5,-2.5) V20(4.5,-2.5) V21(5.5,-2.5) V22(6.5,-2.5) V23(7.5,-2.5) V24(8.5,-2.5) V25(9.5,-2.5) V26(10.5,-2.5) V27(11.5,-2.5) V28(12.5,-2.5) V29(13.5,-2.5) V30(14.5,-2.5) W1(-14.5,-3.5) W2(-13.5,-3.5) W3(-12.5,-3.5) W4(-11.5,-3.5) W5(-10.5,-3.5) W6(-9.5,-3.5) W7(-8.5,-3.5) W8(-7.5,-3.5) W9(-6.5,-3.5) W10(-5.5,-3.5) W11(-4.5,-3.5) W12(-3.5,-3.5) W13(-2.5,-3.5) W14(-1.5,-3.5) W15(-0.5,-3.5) W16(0.5,-3.5) W17(1.5,-3.5) W18(2.5,-3.5) W19(3.5,-3.5) W20(4.5,-3.5) W21(5.5,-3.5) W22(6.5,-3.5) W23(7.5,-3.5) W24(8.5,-3.5) W25(9.5,-3.5) W26(10.5,-3.5) W27(11.5,-3.5) W28(12.5,-3.5) W29(13.5,-3.5) W30(14.5,-3.5) Y1(-14.5,-4.5) Y2(-13.5,-4.5) Y3(-12.5,-4.5) Y4(-11.5,-4.5) Y5(-10.5,-4.5) Y6(-9.5,-4.5) Y7(-8.5,-4.5) Y8(-7.5,-4.5) Y9(-6.5,-4.5) Y10(-5.5,-4.5) Y11(-4.5,-4.5) Y12(-3.5,-4.5) Y13(-2.5,-4.5) Y14(-1.5,-4.5) Y15(-0.5,-4.5) Y16(0.5,-4.5) Y17(1.5,-4.5) Y18(2.5,-4.5) Y19(3.5,-4.5) Y20(4.5,-4.5) Y21(5.5,-4.5) Y22(6.5,-4.5) Y23(7.5,-4.5) Y24(8.5,-4.5) Y25(9.5,-4.5) Y26(10.5,-4.5) Y27(11.5,-4.5) Y28(12.5,-4.5) Y29(13.5,-4.5) Y30(14.5,-4.5)
